# Altium PCB OCB Development Board.PcbDoc (part 1 of 2) (continued)
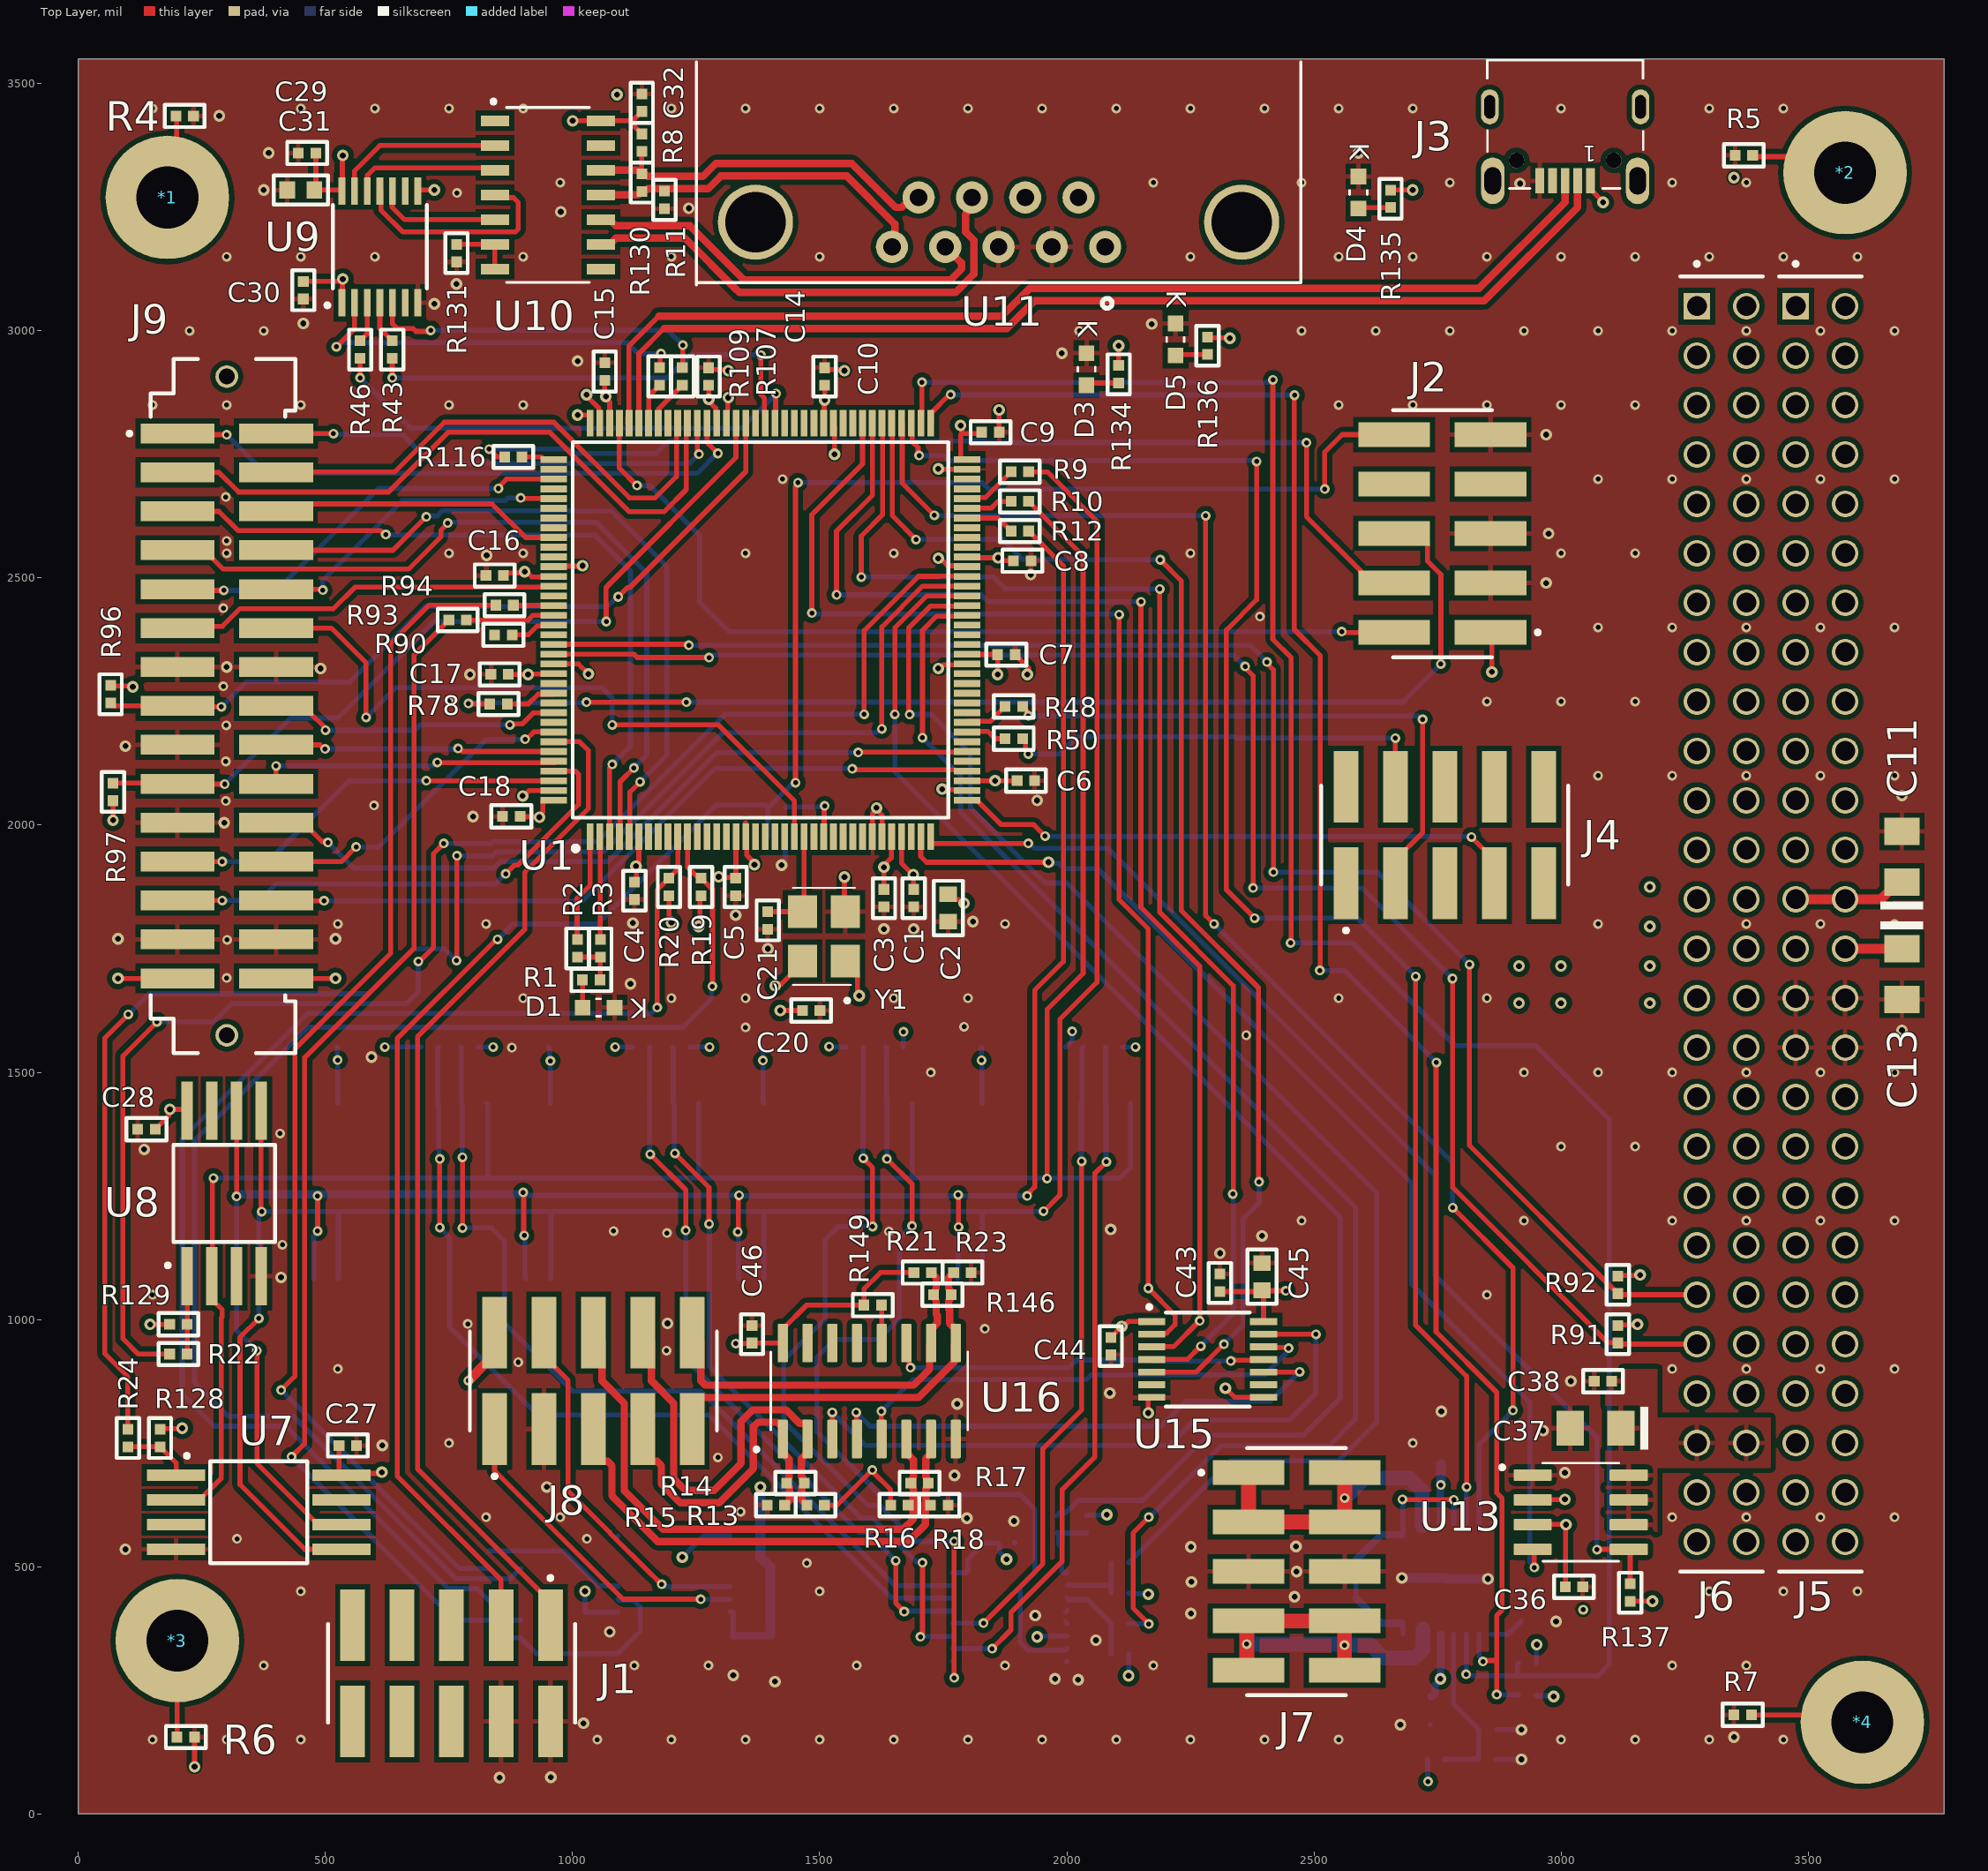
[diagram p0: Top Layer view]
## Components (designator, comment, footprint, x,y, rotation, side; value= is the part's Value field where it differs from the comment)
*1 "PC104 Mounting" "PC104 Mounting Points"#1 180,3270 r0 top
*2 "PC104 Mounting" "PC104 Mounting Points"#1 3575,3320 r0 top
*3 "PC104 Mounting" "PC104 Mounting Points"#2 245,410 r0 top
*4 "PC104 Mounting" "PC104 Mounting Points"#1 3610,185 r0 top
C1 "0.1uF" 0402 1690,1852.28 r90 top
C2 "1uF" 0603 1760,1832.44 r90 top
C3 "0.1uF" 0402 1630,1852.28 r90 top
C4 "0.1uF" 0402 1125,1867.28 r90 top
C5 "0.1uF" 0402 1330,1875 r90 top
C6 "0.1uF" 0402 1917.28,2090 r180 top
C7 "0.1uF" 0402 1877.72,2345 r180 top
C8 "0.1uF" 0402 1910,2535 r180 top
C9 "0.1uF" 0402 1845.72,2795 r180 top
C10 "0.1uF" 0402 1510,2907.72 r270 top
C11 "4.7uF" "CAP TANT 1206 (A) TCJ" 3690,1936.18 r90 top
C12 "0.1uF" 0402 1325,342.72 r270 bottom
C13 "4.7uF" "CAP TANT 1206 (A) TCJ" 3690,1698.82 r270 top
C14 "0.1uF" 0402 1275,2907.72 r270 top
C15 "0.1uF" 0402 1065,2917.72 r270 top
C16 "0.1uF" 0402 842.28,2505 r0 top
C17 "0.1uF" 0402 852.28,2305 r0 top
C18 "0.1uF" 0402 876,2018 r0 top
C19 "0.1uF" 0402 1412.72,1975 r180 bottom
C20 "0.1uF" 0402 1482.72,1625 r180 top
C21 "15 pF" 0402 1395,1807.28 r270 top
C22 "0.1uF" 0402 541,1551 r0 bottom
C23 "0.1uF" 0402 933,1551 r180 bottom
C24 "0.1uF" 0402 1877,548 r0 bottom
C25 "0.1uF" 0402 1365.28,1551 r180 bottom
C26 "0.1uF" 0402 1810,1551 r180 bottom
C27 "0.1uF" 0402 545,745 r0 top
C28 "0.1uF" 0402 137.72,1385 r180 top
C29 "0.1uF" 0402 462.72,3360 r180 top
C30 "0.1uF" 0402 455,3082.28 r270 top
C31 "1uF" 0603 450,3285 r0 top
C32 "0.1uF" 0402 1140,3461.72 r90 top
C33 "0.1uF" 0402 1025,390 r270 bottom
C34 "1uF" 0603 1400,335 r90 bottom
C36 "0.1uF" 0402 3026.28,459 r0 top
C37 "22uF" "CAP TANT 1206 (A) TCJ" 3070,780 r180 top
C38 "0.1uF" 0402 3085,875 r180 top
C39 "1uF" 0603 2758,735 r90 bottom
C40 "1uF" 0603 2735,207.44 r270 bottom
C41 "0.1uF" 0402 2852.28,170 r0 bottom
C42 "220 pF" 0402 2937.72,390 r180 bottom
C43 "0.1uF" 0402 2310,1074 r90 top
C44 "0.1uF" 0402 2089,946 r270 top
C45 "1uF" 0603 2395,1086.56 r270 top
C46 "0.1uF" 0402 1363,970 r90 top
D1 "D-SML-D12U1WT86" D-SML-D12U1WT86 1052.52,1631 r180 top
D3 "D-SML-D12U1WT86" D-SML-D12U1WT86 2040,2922.52 r270 top
D4 "D-SML-D12U1WT86" D-SML-D12U1WT86 2590,3280 r270 top
D5 "D-SML-D12U1WT86" D-SML-D12U1WT86 2220,2982.52 r270 top
J1 "TSM-105-01-F-DV" J-TSM-105-01-F-DV 755,284 r0 top
J2 "TSM-105-01-F-DV" J-TSM-105-01-F-DV 2760,2590 r270 top
J3 "J-629105150521" J-629105150521 3008.43,3345 r180 top
J4 "TSM-105-01-F-DV" J-TSM-105-01-F-DV 2765,1980 r180 top
J5 "J-ESQ-126-14-G-D" J-ESQ-126-14-G-D 3475,3050 r90 top
J6 "J-ESQ-126-14-G-D" J-ESQ-126-14-G-D 3275,3050 r90 top
J7 "TSM-105-01-F-DV" J-TSM-105-01-F-DV 2465,490 r90 top
J8 "TSM-105-01-F-DV" J-TSM-105-01-F-DV 1042,875.56 r180 top
J9 "T2M-115-01-X-D-SM-WT" T2M-115-01-X-D-SM-WT 300.2,2241.26 r270 top
R1 "100R" 0402 1037.72,1687 r180 top value=220R
R2 "0R" 0402 1010,1750.72 r90 top
R3 "0R" 0402 1056,1750.72 r90 top
R4 "0R" 0402 215,3435 r180 top
R5 "0R" 0402 3370,3355 r0 top
R6 "0R" 0402 217.28,155 r180 top
R7 "0R" 0402 3367.72,200 r0 top
R8 "1K" 0402 1140,3380.72 r90 top
R9 "22R" 0402 1905,2715 r180 top
R10 "22R" 0402 1905,2655 r180 top
R11 "1K" 0402 1186,3265 r90 top
R12 "22R" 0402 1905,2595 r180 top
R13 "1K" 0402 1491.72,624 r0 top
R14 "100R" 0402 1451,669 r0 top
R15 "1K" 0402 1411.28,624 r0 top
R16 "1K" 0402 1661.28,624 r180 top
R17 "100R" 0402 1702,669 r180 top
R18 "1K" 0402 1742,624 r180 top
R19 "4.7k" 0402 1260,1875 r90 top value=4.7K
R20 "4.7k" 0402 1195,1875 r270 top value=4.7K
R21 "1K" 0402 1708.28,1095 r180 top
R22 "0R" 0402 202.28,930 r0 top
R23 "1K" 0402 1788.72,1095 r180 top
R24 "0R" 0402 100,760 r270 top
R26 "0R" 0402 1980,585.72 r270 bottom
R27 "0R" 0402 2107.72,508 r180 bottom
R28 "0R" 0402 2107.72,384.67 r180 bottom
R40 "0R" 0402 1413.28,2035 r0 bottom
R43 "0R" 0402 635,2962.28 r90 top
R46 "0R" 0402 570,2962.28 r90 top
R48 "22R" 0402 1892.72,2240 r180 top
R50 "22R" 0402 1892.72,2175 r180 top
R78 "0R" 0402 850,2245 r180 top
R90 "22R" 0402 860,2385 r0 top
R91 "4.7k" 0402 3115,970 r90 top value=4.7K
R92 "4.7k" 0402 3115,1070 r270 top value=4.7K
R93 "22R" 0402 767.28,2415 r0 top
R94 "22R" 0402 862.28,2445 r0 top
R96 "4.7k" 0402 65,2265 r90 top value=4.7K
R97 "4.7k" 0402 70,2067.28 r90 top value=4.7K
R107 "22R" 0402 1222,2908 r90 top
R109 "22R" 0402 1176,2908 r90 top
R116 "0R" 0402 880,2745 r180 top
R117 "10K" 0402 791.72,1551 r180 bottom
R118 "10K" 0402 1220,1551 r180 bottom
R119 "10K" 0402 711.28,1551 r0 bottom
R120 "10K" 0402 1139,1551 r0 bottom
R121 "10K" 0402 2107.72,323 r180 bottom
R122 "10K" 0402 2107.72,446.33 r180 bottom
R123 "10K" 0402 2040,585.72 r270 bottom
R124 "10K" 0402 1651.72,1551 r180 bottom
R125 "10K" 0402 1571,1551 r0 bottom
R126 "10K" 0402 2095.72,1551 r180 bottom
R127 "10K" 0402 2015.28,1551 r0 bottom
R128 "10K" 0402 165,760 r270 top
R129 "10K" 0402 202.28,990 r0 top
R130 "100R" 0402 1140,3300 r90 top
R131 "100R" 0402 765,3157.28 r90 top
R134 "100R" 0402 2105,2912.28 r270 top value=220R
R135 "100R" 0402 2655,3267.28 r270 top value=220R
R136 "10K" 0402 2285,2970 r90 top
R137 "10K" 0402 3140,447.28 r90 top
R138 "0R" 0402 2850,110 r0 bottom
R139 "0R" 0402 2747.28,110 r180 bottom
R140 "10K" 0402 2932.28,305 r180 bottom
R141 "10K" 0402 2932.28,240 r180 bottom
R142 "0.1R" 2512 2470.28,475 r0 bottom
R145 "0R" 0402 895,373.57 r90 bottom
R146 "100R" 0402 1748.28,1050 r180 top
R147 "0R" 0402 835,373.57 r270 bottom
R148 "0R" 0402 895,514 r270 bottom
R149 "0R" 0402 1607.28,1029 r180 top
R150 "0R" 0402 831,514 r90 bottom
U1 "U-STM32L4R5ZIT6" U-STM32L4R5ZIT6 1380,2395 r90 top
U2 "S70FL01GSAGMFI011" U-S70FL01GSAGMFI011 651,1260.17 r270 bottom
U3 "S70FL01GSAGMFI011" U-S70FL01GSAGMFI011 1080,1260.17 r270 bottom
U4 "74LCX138MTC" U-74LCX138MTC 1885,398 r180 bottom
U5 "S70FL01GSAGMFI011" U-S70FL01GSAGMFI011 1512,1260.17 r270 bottom
U6 "S70FL01GSAGMFI011" U-S70FL01GSAGMFI011 1954,1260.17 r270 bottom
U7 "CY15B108QN-40SXI" U-CY15B108QN-40SXI 365,610 r0 top
U8 "CY15B108QN-40SXI" U-CY15B108QN-40SXI 295,1255 r90 top
U9 "U-MAX3378EEUD+T" U-MAX3378EEUD+T 610,3170 r0 top
U10 "MAX3086EESD+T" U-MAX3086EESD+T 950,3275 r0 top
U11 "LD09S13A4GX00LF" J-LD09S13A4GX00LF 2077.68,3170 r180 top
U12 "U-MAX3378EEUD+T" U-MAX3378EEUD+T 1205,485 r90 bottom
U13 "TPS2055AD" U-TPS2055AD 3040,610 r0 top
U14 "MAX14871EUE+T" U-MAX14871EUE+T 2770,475 r270 bottom
U15 "U-MAX3378EEUD+T" U-MAX3378EEUD+T 2285,919 r270 top
U16 "MAX3095CSE+T" U-MAX3095CSE+T 1600.32,855.05 r90 top
Y1 "ASFL1-25.000MHZ-L-T" Y-ASFL125000MHZLT 1508.31,1775 r90 top

## Footprints (in the part's own frame and the unit in brackets; to place one, negate y for a bottom-side part, rotate by r counter-clockwise, add the part's x,y. Pads: shape width x height; smd on the part's side, far side on the other; paste and mask are expansions set on the pad)
0402 [mm] "Chip Resistor, 2-Leads, Body 1,00x0,50mm, IPC Medium Density"
  rect 0.55x0.55 smd: 1(-0.45,0) 2(0.45,0)
  silkscreen extent -1.03,-0.58 1.03,0.58, body extent -0.53,-0.27 0.53,0.28, height 0.4
0603 [mm]
  rect 0.8x0.9 smd: 1(-0.7,0) 2(0.7,0)
  silkscreen extent -1.4,-0.75 1.4,0.75, body extent -0.88,-0.48 0.87,0.47, height 1.3
2512 [mm]
  rect 1.49x3.42 smd: 1(-2.914,0) 2(2.914,0)
  silkscreen extent -1.85,-1.7 1.85,1.7, body extent -3.2,-1.6 3.2,1.6, height 0.9
"CAP TANT 1206 (A) TCJ" [mm] "Cap Tant 2-Leads, EIA 1206, Metric 3216, Body 3.2x1.6mm"
  rect 1.4x1.8 smd: 1(-1.3,0) 2(1.3,0)
  silkscreen extent -2.7,-1.1 -2.3,1.1, body extent -1.7,-0.84 1.7,0.84, height 1.72
D-SML-D12U1WT86 [mm]
  rect 0.8x0.8 smd: A(0.825,0) C(-0.825,0)
  silkscreen extent -0.11,-0.45 0.11,0.45, body extent -0.8,-0.4 0.8,0.4, height 0.55
J-629105150521 [mm]
  rect 0.45x1.3 smd: 1(-1.3,1.05) 2(-0.65,1.05) 3(0,1.05) 4(0.65,1.05) 5(1.3,1.05)
  oval 0.9x1.8 hole 0.55 slot 1.2 at 90 deg: ""(-3.875,-2.75) ""(3.875,-2.75)
  oval 1.2x2.4 hole 0.85 slot 1.4 at 90 deg: ""(-3.725,1.05) ""(3.725,1.05)
  round 0.8 hole 0.8 unplated: ""(-2.5,0) ""(2.5,0)
  silkscreen extent -4.01,-5.15 4,1.45, body extent -4,-5.15 4,1.45, height 2.88
J-ESQ-126-14-G-D [mm]
  rect 1.37x1.37 hole 1.02: 01(0,0)
  round 1.37 hole 1.02: 02(0,-2.54) 03(-2.54,0) 04(-2.54,-2.54) 05(-5.08,0) 06(-5.08,-2.54) 07(-7.62,0) 08(-7.62,-2.54) 09(-10.16,0) 10(-10.16,-2.54) 11(-12.7,0) 12(-12.7,-2.54) 13(-15.24,0) 14(-15.24,-2.54) 15(-17.78,0) 16(-17.78,-2.54) 17(-20.32,0) 18(-20.32,-2.54) 19(-22.86,0) 20(-22.86,-2.54) 21(-25.4,0) 22(-25.4,-2.54) 23(-27.94,0) 24(-27.94,-2.54) 25(-30.48,0) 26(-30.48,-2.54) 27(-33.02,0) 28(-33.02,-2.54) 29(-35.56,0) 30(-35.56,-2.54) 31(-38.1,0) 32(-38.1,-2.54) 33(-40.64,0) 34(-40.64,-2.54) 35(-43.18,0) 36(-43.18,-2.54) 37(-45.72,0) 38(-45.72,-2.54) 39(-48.26,0) 40(-48.26,-2.54) 41(-50.8,0) 42(-50.8,-2.54) 43(-53.34,0) 44(-53.34,-2.54) 45(-55.88,0) 46(-55.88,-2.54) 47(-58.42,0) 48(-58.42,-2.54) 49(-60.96,0) 50(-60.96,-2.54) 51(-63.5,0) 52(-63.5,-2.54)
  silkscreen extent -65.03,-3.39 2.27,0.85, body extent -65.02,-3.81 1.52,1.27, height 11.1
J-LD09S13A4GX00LF [mil]
  round 65 hole 35.43 mask+0: 1(0,0) 2(53.94,-100) 3(107.87,0) 4(161.81,-100) 5(215.75,0) 6(269.68,-100) 7(323.62,0) 8(377.56,-100) 9(431.5,0)
  round 152 hole 122.05: 10(-276.18,-50) 11(707.68,-50)
  silkscreen extent -396,-374 827,124, body extent -392,-748 825,68, height 531
J-TSM-105-01-F-DV [mm]
  rect 1.27x3.68 smd: 01(5.08,2.475) 02(5.08,-2.475) 03(2.54,2.475) 04(2.54,-2.475) 05(0,2.475) 06(0,-2.475) 07(-2.54,2.475) 08(-2.54,-2.475) 09(-5.08,2.475) 10(-5.08,-2.475)
  silkscreen extent -6.35,-2.54 6.35,5, body extent -6.35,-3.85 6.35,3.85, height 9.91
"PC104 Mounting Points"#1 [mm]
  round 6.35 hole 3.18: 1(0,0)
"PC104 Mounting Points"#2 [mm]
  round 6.35 hole 3.18: 1(-1.143,-1.524)
T2M-115-01-X-D-SM-WT [mm]
  rect 1.02x3.8 smd: 01(-14,-2.535) 02(-14,2.535) 03(-12,-2.535) 04(-12,2.535) 05(-10,-2.535) 06(-10,2.535) 07(-8,-2.535) 08(-8,2.535) 09(-6,-2.535) 10(-6,2.535) 11(-4,-2.535) 12(-4,2.535) 13(-2,-2.535) 14(-2,2.535) 15(0,-2.535) 16(0,2.535) 17(2,-2.535) 18(2,2.535) 19(4,-2.535) 20(4,2.535) 21(6,-2.535) 22(6,2.535) 23(8,-2.535) 24(8,2.535) 25(10,-2.535) 26(10,2.535) 27(12,-2.535) 28(12,2.535) 29(14,-2.535) 30(14,2.535)
  round 1.163 hole 0.813: S1(-16.925,0) S2(16.925,0)
  silkscreen extent -17.84,-5.1 17.84,3.52, body extent -17.8,-4.3 17.87,4.33, height 6.6
U-74LCX138MTC [mm]
  rect 1.78x0.42 smd mask+0.076: 1(-2.94,2.275) 2(-2.94,1.625) 3(-2.94,0.975) 4(-2.94,0.325) 5(-2.94,-0.325) 6(-2.94,-0.975) 7(-2.94,-1.625) 8(-2.94,-2.275) 9(2.94,-2.275) 10(2.94,-1.625) 11(2.94,-0.975) 12(2.94,-0.325) 13(2.94,0.325) 14(2.94,0.975) 15(2.94,1.625) 16(2.94,2.275)
  silkscreen extent -3,-2.49 1.8,3.1, body extent -3.2,-2.5 3.2,2.5, height 0.89
U-CY15B108QN-40SXI [mm]
  rect 3x0.6 smd: 1(-4.25,1.905) 2(-4.25,0.635) 3(-4.25,-0.635) 4(-4.25,-1.905) 5(4.25,-1.905) 6(4.25,-0.635) 7(4.25,0.635) 8(4.25,1.905)
  silkscreen extent -3.8,-2.62 2.5,3, body extent -4,-2.62 4,2.62, height 2.03
U-MAX3086EESD+T [mil]
  rect 57.5x21 smd paste+0 mask+0: 1(-107.25,150) 2(-107.25,100) 3(-107.25,50) 4(-107.25,0) 5(-107.25,-50) 6(-107.25,-100) 7(-107.25,-150) 8(107.25,-150) 9(107.25,-100) 10(107.25,-50) 11(107.25,0) 12(107.25,50) 13(107.25,100) 14(107.25,150)
  silkscreen extent -114,-177 84,193, body extent -122,-172 122,172, height 69
U-MAX3095CSE+T [mm]
  rrect25% 1.98x0.53 smd: 1(-2.465,4.445) 2(-2.465,3.175) 3(-2.465,1.905) 4(-2.465,0.635) 5(-2.465,-0.635) 6(-2.465,-1.905) 7(-2.465,-3.175) 8(-2.465,-4.445) 9(2.465,-4.445) 10(2.465,-3.175) 11(2.465,-1.905) 12(2.465,-0.635) 13(2.465,0.635) 14(2.465,1.905) 15(2.465,3.175) 16(2.465,4.445)
  silkscreen extent -3.1,-5.06 2,5.9, body extent -3,-4.95 3,4.95, height 1.75
U-MAX3378EEUD+T [mm]
  rect 0.35x1.4 smd: 1(-1.95,-2.875) 2(-1.3,-2.875) 3(-0.65,-2.875) 4(0,-2.875) 5(0.65,-2.875) 6(1.3,-2.875) 7(1.95,-2.875) 8(1.95,2.875) 9(1.3,2.875) 10(0.65,2.875) 11(0,2.875) 12(-0.65,2.875) 13(-1.3,2.875) 14(-1.95,2.875)
  silkscreen extent -2.8,-3.1 2.41,2.16, body extent -2.5,-3.17 2.5,3.23, height 1.1
U-MAX14871EUE+T [mm]
  rect 1.4x0.35 smd paste+0 mask+0: 1(-2.845,2.275) 2(-2.845,1.625) 3(-2.845,0.975) 4(-2.845,0.325) 5(-2.845,-0.325) 6(-2.845,-0.975) 7(-2.845,-1.625) 8(-2.845,-2.275) 9(2.845,-2.275) 10(2.845,-1.625) 11(2.845,-0.975) 12(2.845,-0.325) 13(2.845,0.325) 14(2.845,0.975) 15(2.845,1.625) 16(2.845,2.275)
  rect 3.05x3.05 smd paste-1.537 mask+0: EPAD(0,0)
  silkscreen extent -3.05,-2.68 2.07,3.25, body extent -3.25,-2.55 3.25,2.55, height 1.09
U-S70FL01GSAGMFI011 [mm]
  rect 3.5x0.6 smd: 1(-4.5,4.445) 2(-4.5,3.175) 3(-4.5,1.905) 4(-4.5,0.635) 5(-4.5,-0.635) 6(-4.5,-1.905) 7(-4.5,-3.175) 8(-4.5,-4.445) 9(4.5,-4.445) 10(4.5,-3.175) 11(4.5,-1.905) 12(4.5,-0.635) 13(4.5,0.635) 14(4.5,1.905) 15(4.5,3.175) 16(4.5,4.445)
  silkscreen extent -4.9,-5.15 3.4,5.5, body extent -5.15,-5.15 5.15,5.15, height 2.65
U-STM32L4R5ZIT6 [mm]
  rect 1.35x0.35 smd mask+0.051: 1(-10.625,8.75) 2(-10.625,8.25) 3(-10.625,7.75) 4(-10.625,7.25) 5(-10.625,6.75) 6(-10.625,6.25) 7(-10.625,5.75) 8(-10.625,5.25) 9(-10.625,4.75) 10(-10.625,4.25) 11(-10.625,3.75) 12(-10.625,3.25) 13(-10.625,2.75) 14(-10.625,2.25) 15(-10.625,1.75) 17(-10.625,0.75) 18(-10.625,0.25) 19(-10.625,-0.25) 20(-10.625,-0.75) 21(-10.625,-1.25) 22(-10.625,-1.75) 23(-10.625,-2.25) 24(-10.625,-2.75) 25(-10.625,-3.25) 26(-10.625,-3.75) 27(-10.625,-4.25) 28(-10.625,-4.75) 29(-10.625,-5.25) 30(-10.625,-5.75) 31(-10.625,-6.25) 32(-10.625,-6.75) 33(-10.625,-7.25) 34(-10.625,-7.75) 35(-10.625,-8.25) 36(-10.625,-8.75) 73(10.625,-8.75) 74(10.625,-8.25) 75(10.625,-7.75) 76(10.625,-7.25) 77(10.625,-6.75) 78(10.625,-6.25) 79(10.625,-5.75) 80(10.625,-5.25) 81(10.625,-4.75) 82(10.625,-4.25) 83(10.625,-3.75) 84(10.625,-3.25) 85(10.625,-2.75) 86(10.625,-2.25) 87(10.625,-1.75) 88(10.625,-1.25) 89(10.625,-0.75) 90(10.625,-0.25) 91(10.625,0.25) 92(10.625,0.75) 93(10.625,1.25) 94(10.625,1.75) 95(10.625,2.25) 96(10.625,2.75) 97(10.625,3.25) 98(10.625,3.75) 99(10.625,4.25) 100(10.625,4.75) 101(10.625,5.25) 102(10.625,5.75) 103(10.625,6.25) 104(10.625,6.75) 105(10.625,7.25) 106(10.625,7.75) 107(10.625,8.25) 108(10.625,8.75)
  rect 1.35x0.35 smd paste+0 mask+0.051: 16(-10.625,1.25)
  rect 0.35x1.35 smd mask+0.051: 37(-8.75,-10.625) 38(-8.25,-10.625) 39(-7.75,-10.625) 40(-7.25,-10.625) 41(-6.75,-10.625) 42(-6.25,-10.625) 43(-5.75,-10.625) 44(-5.25,-10.625) 45(-4.75,-10.625) 46(-4.25,-10.625) 47(-3.75,-10.625) 48(-3.25,-10.625) 49(-2.75,-10.625) 50(-2.25,-10.625) 51(-1.75,-10.625) 52(-1.25,-10.625) 53(-0.75,-10.625) 54(-0.25,-10.625) 55(0.25,-10.625) 56(0.75,-10.625) 57(1.25,-10.625) 58(1.75,-10.625) 59(2.25,-10.625) 60(2.75,-10.625) 61(3.25,-10.625) 62(3.75,-10.625) 63(4.25,-10.625) 64(4.75,-10.625) 65(5.25,-10.625) 66(5.75,-10.625) 67(6.25,-10.625) 68(6.75,-10.625) 69(7.25,-10.625) 70(7.75,-10.625) 71(8.25,-10.625) 72(8.75,-10.625) 109(8.75,10.625) 110(8.25,10.625) 111(7.75,10.625) 112(7.25,10.625) 113(6.75,10.625) 114(6.25,10.625) 115(5.75,10.625) 116(5.25,10.625) 117(4.75,10.625) 118(4.25,10.625) 119(3.75,10.625) 120(3.25,10.625) 121(2.75,10.625) 122(2.25,10.625) 123(1.75,10.625) 124(1.25,10.625) 125(0.75,10.625) 126(0.25,10.625) 127(-0.25,10.625) 128(-0.75,10.625) 129(-1.25,10.625) 130(-1.75,10.625) 131(-2.25,10.625) 132(-2.75,10.625) 133(-3.25,10.625) 134(-3.75,10.625) 135(-4.25,10.625) 136(-4.75,10.625) 137(-5.25,10.625) 138(-5.75,10.625) 139(-6.25,10.625) 140(-6.75,10.625) 141(-7.25,10.625) 142(-7.75,10.625) 143(-8.25,10.625) 144(-8.75,10.625)
  silkscreen extent -11.35,-9.65 9.65,9.65, body extent -11,-11 11,11, height 1.6
U-TPS2055AD [mm]
  rrect25% 1.97x0.6 smd: 1(-2.47,1.905) 2(-2.47,0.635) 3(-2.47,-0.635) 4(-2.47,-1.905) 5(2.47,-1.905) 6(2.47,-0.635) 7(2.47,0.635) 8(2.47,1.905)
  silkscreen extent -4.14,-2.52 1.95,2.52
Y-ASFL125000MHZLT [mm]
  rect 1.7x1.5 smd: 1(-1.27,-1.1) 2(1.27,-1.1) 3(1.27,1.1) 4(-1.27,1.1)
  silkscreen extent -3.4,-1.6 2.5,1.6, body extent -2.5,-1.7 2.5,1.7, height 1.4

## Part data
C1 C3 C4 C5 C6 C7 C8 C9 C10 C12 C14 C15 C16 C17 C18 C19 C20 C22 C23 C24 C25 C26 C27 C28 C29 C30 C32 C33 C36 C38 C41 C43 C44 C46: library part CC-104-K-25V-X7R-0402, "CAP CER 0.1UF 25V X7R 0402", Manufacturer=YAGEO, Manufacturer Part #=CC0402KPX7R8BB104, ComponentLink1description=Datasheet, ComponentLink1URL=https://ds.yuden.co.jp/TYCOMPAS/ut/detail?pn=TMK105BJ104KV-F%20%20&u=M, ComponentLink2description="Manufacturer Website", ComponentLink2URL=https://www.yuden.co.jp/or/, Distributor=Digikey, Distributor Part #=13-CC0402KPX7R8BB104CT-ND, Part Description="CAP CER 0.1UF 25V X7R 0402", ROHS=Yes
C2 C31 C34 C39 C40 C45: library part CC-105-K-25V-X7R-0603, "CAP CER 1UF 25V X7R 0603", Manufacturer=Yageo, Manufacturer Part #=CC0603KRX7R8BB105, ComponentLink1description=Datasheet, ComponentLink1URL=https://www.yageo.com/upload/media/product/productsearch/datasheet/mlcc/UPY-GPHC_X7R_6.3V-to-50V_18.pdf, ComponentLink2description="Manufacture Website", ComponentLink2URL=https://www.yageo.com/en/Home, Distributor=Digikey, Distributor Part #=311-1802-1-ND, Part Description="CAP CER 1UF 25V X7R 0603", ROHS=Yes, SignalCraft Part #=CC-105-K-25V-X7R-0603
C11 C13: library part CT-474-M-20V-OTH-1206, "4.7 µF Molded Tantalum Capacitors 20 V 1206 (3216 Metric) 4Ohm", Manufacturer="AVX Corporation", Manufacturer Part #=TAJA475K020RNJ, ComponentLink1description=Datasheet, ComponentLink2description="Manufacturer Website", Distributor=Digikey, Distributor Part #=478-1668-1-ND, Part Description="4.7 µF Molded Tantalum Capacitors 20 V 1206 (3216 Metric) 4Ohm"
C21: library part CC-159-J-50V-C0G-0402_1, "15 pF ±1% 50V Ceramic Capacitor C0G, NP0 0402 (1005 Metric)", Manufacturer=YAGEO, Manufacturer Part #=CC0402FRNPO9BN150, ComponentLink1description=Datasheet, ComponentLink2description="Manufacture Website", Distributor=Digikey, Distributor Part #=311-1642-1-ND, Part Description="15 pF ±1% 50V Ceramic Capacitor C0G, NP0 0402 (1005 Metric)"
C37: library part CT-225-M-20V-OTH-1206, "CAP TANT 22UF 10% 10V 1206", Manufacturer="KYOCERA AVX", Manufacturer Part #=TPSA226K010T0900, ComponentLink1description=Datasheet, ComponentLink2description="Manufacturer Website", Distributor=Digikey, Distributor Part #=478-11193-1-ND, Part Description="CAP TANT 22UF 10% 10V 1206"
C42: library part CC-228-J-50V-C0G-0402, "CAP CER 220PF 50V X7R 0402", Manufacturer=YAGEO, Manufacturer Part #=CC0402KRX7R9BB221, ComponentLink1description=Datasheet, ComponentLink2description="Manufacture Website", Distributor=Digikey, Distributor Part #=311-1035-1-ND, Part Description="CAP CER 220PF 50V X7R 0402"
D1 D3 D4 D5: "Red 620nm LED Indication - Discrete 2.2V 0603 _1608 Metric", Manufacturer="Rohm Semiconductor", Manufacturer Part #=SML-D12U1WT86, Distributor=Digikey, Distributor Part #=SML-D12U1WT86CT-ND
J1 J2 J4 J7 J8: library part J-TSM-105-01-F-DV, "CONN HEADER SMD 10POS 2.54MM", Manufacturer="Samtec Inc.", Distributor=Digikey, Distributor Part #=SAM12227-ND, Manufacturer Part #=TSM-105-01-F-DV
J3: "CONN RCPT USB2.0 MICRO B SMD R/A", Manufacturer="Würth Elektronik", Manufacturer Part #=629105150521, Distributor=Digikey, Distributor Part #=732-5960-1-ND
J5 J6: "CONN SOCKET 52POS 0.1 GOLD PCB", Manufacturer="Samtec Inc.", Manufacturer Part #=ESQ-126-14-G-D, Distributor=Digikey, Distributor Part #=SAM11114-ND
J9: library part J-T2M-115-01-X-D-SM-WT, "Headers & Wire Housings High Reliability Tiger Eye Discrete Wire Header, 2.00 mm Pitch", Manufactuer=Samtec, Distributor=Mouser, Distributor Part #=200-T2M11501LDSMWT, Manufacturer Part #=T2M-115-01-X-D-SM-WT
R1 R134 R135: library part RT-220R-F-1/16W-0402, "RES 220 OHM 5% 1/16W 0402", Manufacturer=Yageo, Manufacturer Part #=RC0402JR-07220RL, Distributor=Digikey, Distributor Part #=311-220JRCT-ND, Part Description="RES 220 OHM 5% 1/16W 0402"
R2 R3 R4 R5 R6 R7 R22 R24 R26 R27 R28 R40 R43 R46 R78 R116 R138 R139 R145 R147 R148 R149 R150: library part RT-0R00-F-1/10W-0402, "RES SMD 0 OHM JUMPER 1/10W 0402", Alternate Manufacturer=Yageo, Alternate Manufacturer Part #=RC0402JR-070RL, Manufacturer="Panasonic Electronic Components", Manufacturer Part #=ERJ-2GE0R00X, Alternate Distributor Part #=311-0.0JRCT-ND, ComponentLink1description=Datasheet, ComponentLink1URL=https://industrial.panasonic.com/ww/products/resistors/chip-resistors/general-purpose-chip-resistors/models/ERJ2GE0R00X, ComponentLink2description="Manufacturer Website", ComponentLink2URL=https://industrial.panasonic.com/ww/products/resistors/chip-resistors/general-purpose-chip-resistors/models/ERJ2GE0R00X, Distributor=Digikey, Distributor Part #=P0.0JCT-ND, Part Description="RES SMD 0 OHM JUMPER 1/10W 0402", ROHS=Yes
R8 R11 R13 R15 R16 R18 R21 R23: library part RT-1K0-F-1/16W-0402, "RES 1K OHM 1% 1/16W 0402", Manufacturer=Yageo, Manufacturer Part #=RC0402FR-071KL, ComponentLink1description=Datasheet, ComponentLink1URL=https://www.vishay.com/docs/20035/dcrcwe3.pdf, ComponentLink2description="Manufacturer Website", ComponentLink2URL=https://www.vishay.com/, Distributor=Digikey, Distributor Part #=311-1.00KLRCT-ND, Part Description="RES 1K OHM 1% 1/16W 0402", ROHS=Yes
R9 R10 R12 R48 R50 R90 R93 R94 R107 R109: library part RT-22R0-F-1/16W-0402, "RES SMD 22 OHM 1% 1/16W 0402", Alternate Manufacturer=Yageo, Alternate Manufacturer Part #=RC0402FR-0722RL, Manufacturer="Vishay Dale", Manufacturer Part #=CRCW040222R0FKED, Alternate Distributor Part #=311-22.0LRCT-ND, ComponentLink1description=Datasheet, ComponentLink1URL=https://www.vishay.com/docs/20035/dcrcwe3.pdf, ComponentLink2description="Manufacturer Website", ComponentLink2URL=https://www.vishay.com/, Distributor=Digikey, Distributor Part #=541-22.0LCT-ND, Part Description="RES SMD 22 OHM 1% 1/16W 0402", ROHS=Yes, SignalCraft Part #=RT-22R0-F-1/16W-0402
R14 R17 R130 R131 R146: library part RT-100R-F-1/16W-0402, "RES SMD 100 OHM 1% 1/16W 0402", Manufacturer=Yageo, Manufacturer Part #=RT0402FRE07100RL, Distributor=Digikey, Distributor Part #=YAG3342CT-ND, Part Description="RES SMD 100 OHM 1% 1/16W 0402"
R19 R20 R91 R92 R96 R97: library part RT-4K70-F-1/16W-0402, "RES SMD 4.7K OHM 1% 1/16W 0402", Manufacturer=Yageo, Manufacturer Part #=RC0402FR-074K7L, ComponentLink1description=Datasheet, ComponentLink1URL=https://www.yageo.com/upload/media/product/productsearch/datasheet/rchip/PYu-RC_Group_51_RoHS_L_11.pdf, ComponentLink2description="Manufacture Website", ComponentLink2URL=https://www.yageo.com/en/Home, Distributor=Digikey, Distributor Part #=311-4.7KLRCT-ND, Part Description="RES SMD 4.7K OHM 1% 1/16W 0402", ROHS=Yes, SignalCraft Part #=RT-4K70-F-1/16W-0402
R117 R118 R119 R120 R121 R122 R123 R124 R125 R126 R127 R128 R129 R136 R137 R140 R141: library part RT-10K0-F-1/16W-0402, "RES SMD 10K OHM 1% 1/16W 0402", Alternate Manufacturer=Yageo, Alternate Manufacturer Part #=RC0402FR-0710KL, Manufacturer="Vishay Dale", Manufacturer Part #=CRCW040210K0FKED, Alternate Distributor Part #=311-10.0KLRCT-ND, ComponentLink1description=Datasheet, ComponentLink1URL=https://www.vishay.com/docs/20035/dcrcwe3.pdf, ComponentLink2description="Manufacturer Website", ComponentLink2URL=https://www.vishay.com/, Distributor=Digikey, Distributor Part #=541-10.0KLCT-ND, Part Description="RES SMD 10K OHM 1% 1/16W 0402", ROHS=Yes